# Altium PCB Funk.PcbDoc
Units mm, origin at the board's own origin, x right, y up, seen from the top; angles counter-clockwise.
Board outline 61.59 x 64.9 mm, 2 copper layers (Top Layer, Bottom Layer); 32 components, 38 nets, 179 pads, 31 vias.
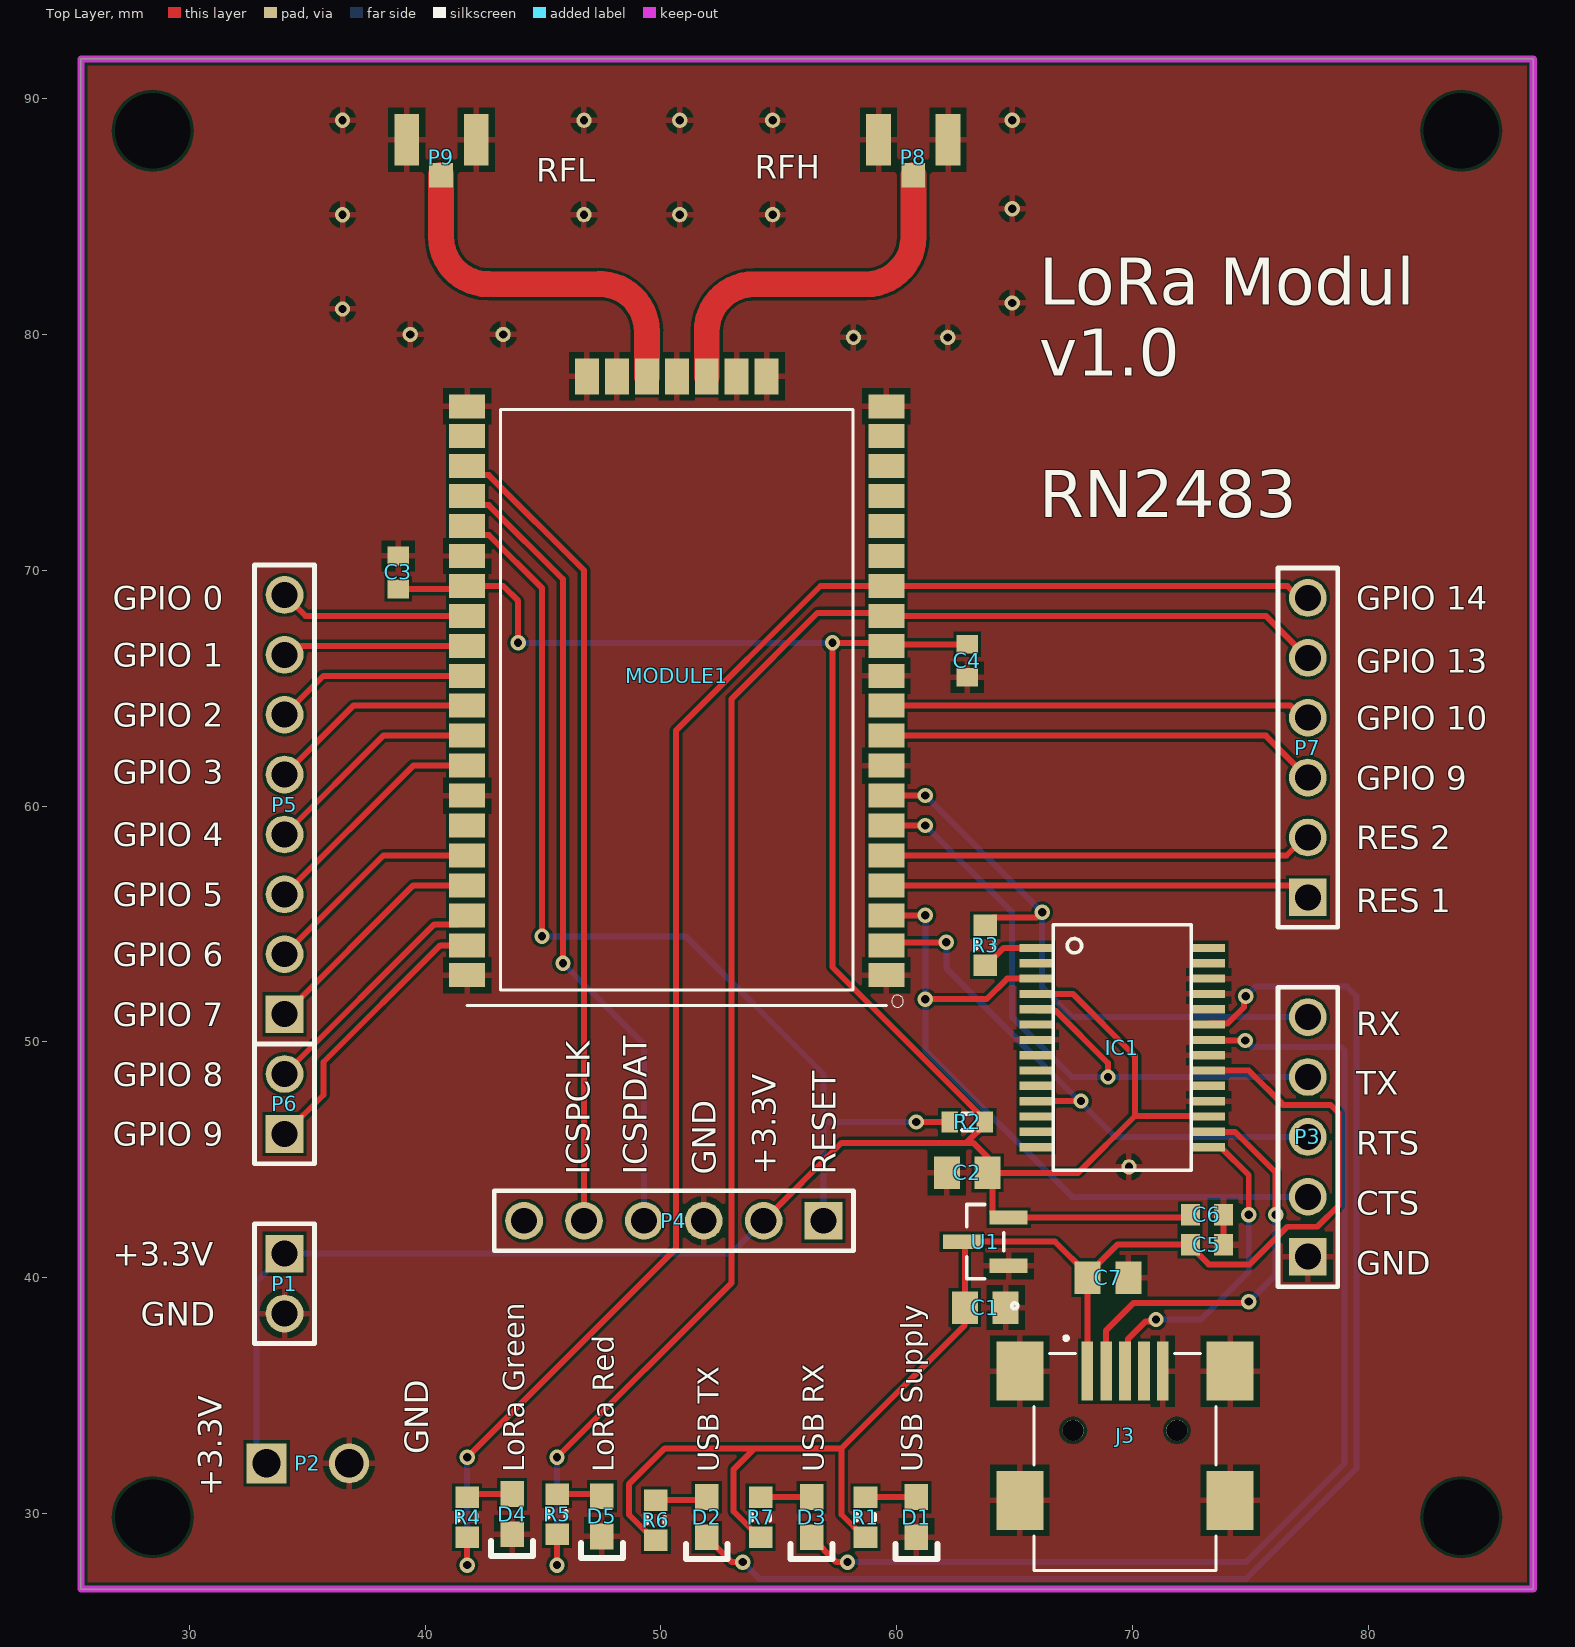
[diagram p0: Top Layer view]
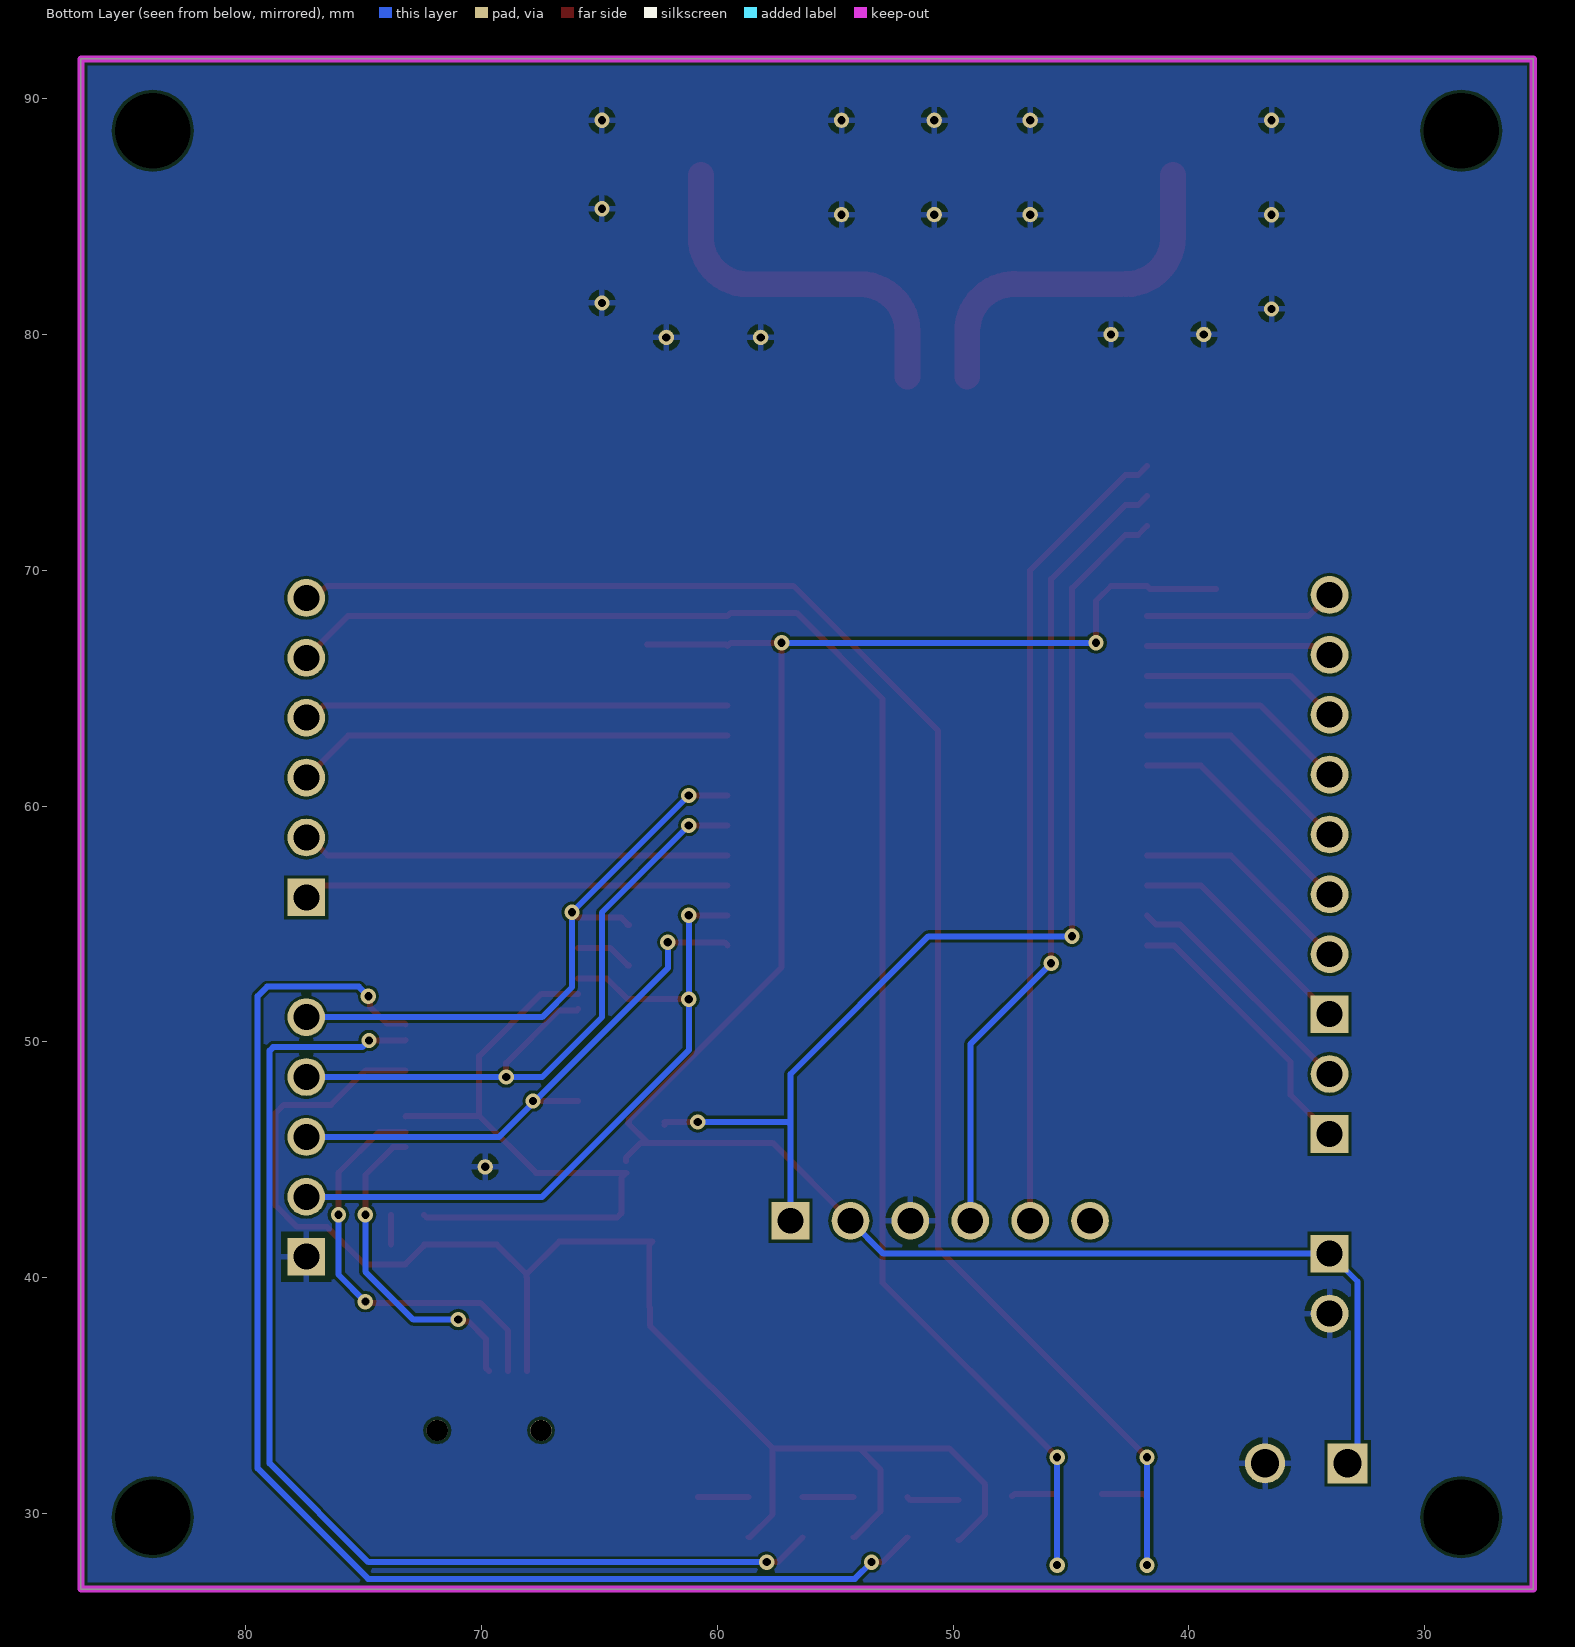
[diagram p1: Bottom Layer view, seen from below]
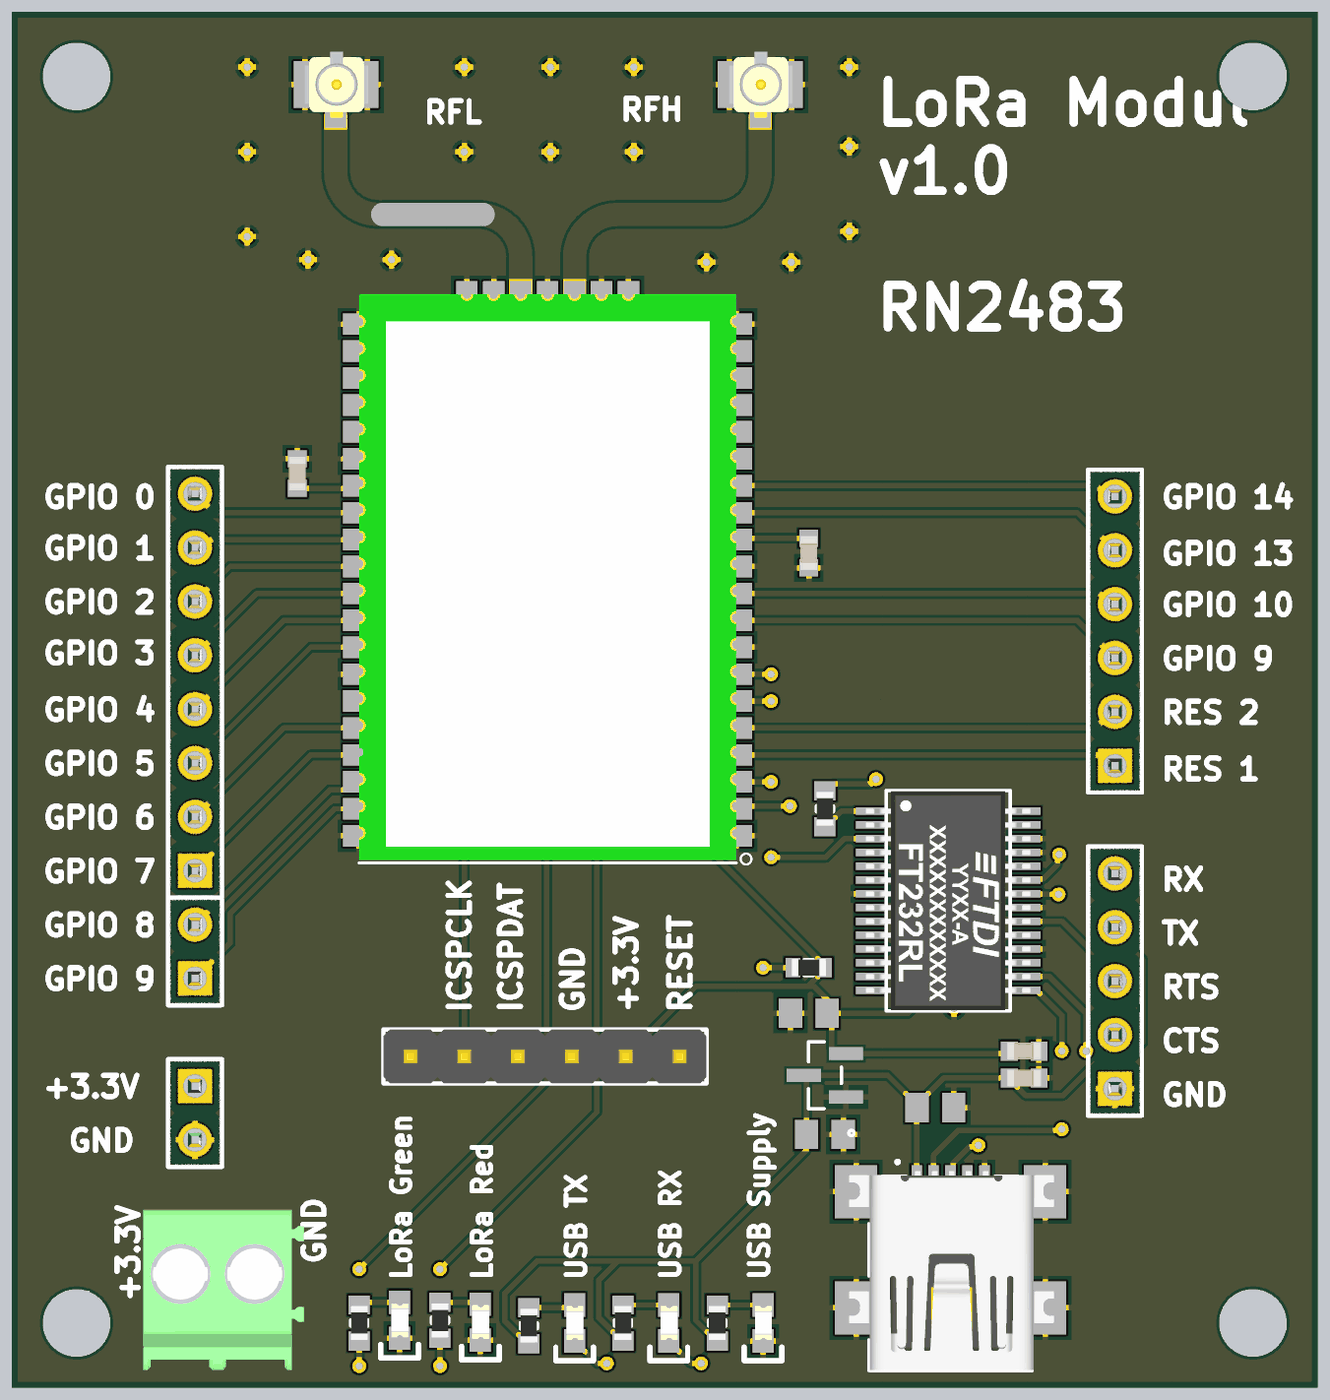
[diagram p2: 3D render of the assembled board from above, using the file's embedded part models]

## Layer stack, top to bottom
Top Solder: solder mask 0.0102, Solder Resist, Dk 3.5
Top Layer: signal copper 0.0356
Dielectric 1: dielectric 0.32, FR-4, Dk 4.8
Bottom Layer: signal copper 0.0356
Bottom Solder: solder mask 0.0102, Solder Resist, Dk 3.5

## Board outline
25.4,26.797 86.995,26.797 86.995,91.694 25.4,91.694

## Design rules (kind name [scope] priority, off if disabled: settings)
Clearance Clearance_1 [All] p1: gap=0.127 ignorepadtopadclearanceinfootprint=FALSE except(0: Arc-Hole Track-Hole SMDPad-Hole THPad-Hole Via-Hole Fill-Hole Poly-Hole Region-Hole Text-Hole; 0.254: Arc-Text Track-Text SMDPad-Text THPad-Text Via-Text Fill-Text Poly-Text Region-Text Text-Text)
Height [All] p1: minheight=0 maxheight=50 prefheight=12.7
HoleSize [All] p1: absolutevalues=TRUE maxlimit=6.3 minlimit=0.025 maxpercent=80.000 minpercent=20.000
MaxMinImpedance "Schematic Impedance Constraint_1" [InNet('RFH')] p1: minimum=50.00 maximum=50.00
MaxMinImpedance "Schematic Impedance Constraint" [InNet('RFL')] p2: minimum=50.00 maximum=50.00
MinimumSolderMaskSliver [All] p1: minsoldermaskwidth=0.2
PolygonConnect [All] p1: connectstyle=Relief reliefconductorwidth=0.254 reliefentries=4 polygonreliefangle="90 Angle" airgapwidth=0.254
RoutingVias [All] p1: holewidth=0.35 width=0.65 viastyle="Through Hole" minholewidth=0.3 minwidth=0.6 maxholewidth=2 maxwidth=2.4
SolderMaskExpansion [All] p1: expansion=0.102
Width [All] p1: maxlimit=2 minlimit=0.127 preferedwidth=0.254 minimp=50.000000 maximp=50.000000 favimp=50.000000
27 further rules are at their usual default settings.

## Classes and differential pairs
component class Funk: C1 C2 C3 C4 C5 C6 C7 D1 D2 D3 D4 D5 IC1 J3 MODULE1 P1 P2 P4 P8 P9 R1 R2 R3 R4 R5 R6 R7 U1

## Components (designator, comment, footprint, x,y, rotation, side; value= is the part's Value field where it differs from the comment)
C1 "1uF" *CAPC2012X135N 63.754,38.735 r0 top
C2 "1uF" *CAPC2012X135N 62.992,44.45 r180 top
C3 "100nF" "CAP_0603i_1608m -L" 38.862,69.915 r270 top
C4 "100nF" "CAP_0603i_1608m -L" 62.992,66.167 r90 top
C5 "100nF" "CAP_0603i_1608m -L" 73.152,41.402 r180 top
C6 "100nF" "CAP_0603i_1608m -L" 73.152,42.672 r180 top
C7 "10uF" *CAPC2012X135N 68.961,40.005 r0 top
D1 "Grün" *0603 60.833,29.845 r90 top
D2 "Grün" *0603 51.943,29.845 r90 top
D3 "Orange" *0603 56.388,29.845 r90 top
D4 "Orange" *0603 43.688,29.972 r90 top
D5 "Grün" *0603 47.498,29.884 r90 top
IC1 "FT232RL-TUBE" *SSOP28-LD 69.569,49.765 r270 top
J3 "UJ2-MABH-4-SMT" *CUI_UJ2-MABH-4-SMT_UJ2-MABH-4-SMT(Primary) 68.082,36.038 r0 top
MODULE1 "RN2483-I/RM095" *MICROCHIP_RN2483-I/RM095 50.673,64.897 r180 top
P1 "Power Supply Pin" HDR1X2 34.036,41.021 r270 top
P2 "Power Supply Conn." "3.5MM Phoenix Contact 1984617" 33.274,32.131 r0 top
P3 "UART" HDR1X5 77.437,40.894 r90 top
P4 "ICSP PICkit 3" HDR1X6 56.896,42.418 r180 top
P5 "GPIO Pins 1" HDR1X8 34.036,51.181 r90 top
P6 "GPIO Pins 1.1" HDR1X2 34.036,46.101 r90 top
P7 "GPIO Pins 2" HDR1X6 77.437,56.134 r90 top
P8 "Hirose U.FL-R-SMT-1(10)" "Hirsoe U.FL-R-SMT-1(10)"#1 60.705,88.265 r0 top
P9 "Hirose U.FL-R-SMT-1(10)" "Hirsoe U.FL-R-SMT-1(10)"#2 40.689,88.265 r0 top
R1 "10" "RES_0603i_1608m -N" 58.674,29.845 r90 top
R2 "10k" "RES_0603_1608m -L" 62.992,46.609 r180 top
R3 "10" "RES_0603i_1608m -N" 63.754,54.102 r90 top
R4 "330" "RES_0603i_1608m -N" 41.783,29.845 r270 top
R5 "330" "RES_0603i_1608m -N" 45.593,29.972 r270 top
R6 "1000" "RES_0603i_1608m -N" 49.784,29.718 r90 top
R7 "1000" "RES_0603i_1608m -N" 54.229,29.845 r90 top
U1 "Part Number: AP2120N-3.3TRG1" SOT-23-M 63.754,41.529 r90 top value=Value

## Footprints (in the part's own frame and the unit in brackets; to place one, negate y for a bottom-side part, rotate by r counter-clockwise, add the part's x,y. Pads: shape width x height; smd on the part's side, far side on the other; paste and mask are expansions set on the pad)
"3.5MM Phoenix Contact 1984617" [mm]
  rect 1.7x1.7 hole 1.2: 1(0,0)
  round 1.7 hole 1.2: 2(3.5,0)
  body extent -1.67,-4.53 5.9,3.07, height 25.89
*0603 [mm]
  rect 1.1x1 smd: 1(-0.85,0) 2(0.85,0)
  silkscreen extent -1.78,-0.89 -1.14,0.89, body extent -0.8,-0.42 0.8,0.38, height 0.8
*CAPC2012X135N [mm]
  rect 1.1x1.38 smd: 1(-0.863,0) 2(0.863,0)
*CUI_UJ2-MABH-4-SMT_UJ2-MABH-4-SMT(Primary) [mm]
  rect 0.5x2.5 smd: 1(0,0) 2(0.8,0) 3(1.6,0) 4(2.4,0) 5(3.2,0)
  round 0.9 hole 0.9 unplated: None(-0.6,-2.51) None(3.8,-2.51)
  rect 2x2.5 smd: SH1(-2.86,0) SH2(6.06,0) SH3(-2.86,-5.48) SH4(6.06,-5.48)
  silkscreen extent -2.26,-8.45 5.46,1.48, body extent -3.18,-8.42 6.48,0.96, height 3.93
*MICROCHIP_RN2483-I/RM095 [mil]
  rect 60x40 smd: 1(-350,475) 2(-350,425) 3(-350,375) 4(-350,325) 5(-350,275) 6(-350,225) 7(-350,175) 8(-350,125) 9(-350,75) 10(-350,25) 11(-350,-25) 12(-350,-75) 13(-350,-125) 14(-350,-175) 15(-350,-225) 16(-350,-275) 17(-350,-325) 18(-350,-375) 19(-350,-425) 20(-350,-475) 28(350,-475) 29(350,-425) 30(350,-375) 31(350,-325) 32(350,-275) 33(350,-225) 34(350,-175) 35(350,-125) 36(350,-75) 37(350,-25) 38(350,25) 39(350,75) 40(350,125) 41(350,175) 42(350,225) 43(350,275) 44(350,325) 45(350,375) 46(350,425) 47(350,475)
  rect 40x60 smd: 21(-150,-525) 22(-100,-525) 23(-50,-525) 24(0,-525) 25(50,-525) 26(100,-525) 27(150,-525)
  silkscreen extent -379,-470 350,528, body extent -351,-530 350,520, height 118
*SSOP28-LD [mm]
  rect 0.348x1.397 smd: 1(-4.225,-3.656) 2(-3.575,-3.656) 3(-2.925,-3.656) 4(-2.275,-3.656) 5(-1.625,-3.656) 6(-0.975,-3.656) 7(-0.325,-3.656) 8(0.325,-3.656) 9(0.975,-3.656) 10(1.625,-3.656) 11(2.275,-3.656) 12(2.925,-3.656) 13(3.575,-3.656) 14(4.225,-3.656) 15(4.225,3.656) 16(3.575,3.656) 17(2.925,3.656) 18(2.275,3.656) 19(1.625,3.656) 20(0.975,3.656) 21(0.325,3.656) 22(-0.325,3.656) 23(-0.975,3.656) 24(-1.625,3.656) 25(-2.275,3.656) 26(-2.925,3.656) 27(-3.575,3.656) 28(-4.225,3.656)
  silkscreen extent -5.2,-2.93 5.2,2.93, body extent -5.17,-3.88 5.16,3.88, height 2.16
"CAP_0603i_1608m -L" [mm] "Chip Capacitor, Body 1.6x0.8mm, IPC High Density"
  rect 0.8x0.9 smd: 1(-0.7,0) 2(0.7,0)
  body extent -0.8,-0.4 0.8,0.4, height 0.8
HDR1X2 [mm] "Connector; Header; 2 Position"
  rect 1.6x1.6 hole 1.1: 1(0,0)
  round 1.6 hole 1.1: 2(2.54,0)
  silkscreen extent -1.27,-1.27 3.81,1.27, body extent -1.27,-1.27 3.81,1.27, height 10.3
HDR1X5 [mm] "Connector; Header; 5 Position"
  rect 1.6x1.6 hole 1.1: 1(0,0)
  round 1.6 hole 1.1: 2(2.54,0) 3(5.08,0) 4(7.62,0) 5(10.16,0)
  silkscreen extent -1.27,-1.27 11.43,1.27, body extent -1.27,-1.27 11.43,1.27, height 10.3
HDR1X6 [mm] "Connector; Header; 6 Position"
  rect 1.6x1.6 hole 1.1: 1(0,0)
  round 1.6 hole 1.1: 2(2.54,0) 3(5.08,0) 4(7.62,0) 5(10.16,0) 6(12.7,0)
  silkscreen extent -1.27,-1.27 13.97,1.27, body extent -1.27,-1.27 13.97,1.27, height 10.3
HDR1X8 [mm] "Connector; Header; 8 Position"
  rect 1.6x1.6 hole 1.1: 1(0,0)
  round 1.6 hole 1.1: 2(2.54,0) 3(5.08,0) 4(7.62,0) 5(10.16,0) 6(12.7,0) 7(15.24,0) 8(17.78,0)
  silkscreen extent -1.27,-1.27 19.05,1.27, body extent -1.17,-1.24 19.15,1.25, height 8.2
"Hirsoe U.FL-R-SMT-1(10)"#1 [mm] "SMD U.FL connector"
  rect 1x1.05 smd: 1(0,-1.5)
  rect 1.05x2.2 smd: 2(-1.475,0) 2(1.475,0)
  body extent -1.48,-1.55 1.53,1.55, height 1.25
"Hirsoe U.FL-R-SMT-1(10)"#2 [mm] "SMD U.FL connector"
  rect 1x1.05 smd: 1(-0.016,-1.5)
  rect 1.05x2.2 smd: 2(-1.475,0) 2(1.475,0)
  body extent -1.48,-1.55 1.53,1.55, height 1.25
"RES_0603_1608m -L" [mm] "Chip Resistor, Body 1.6x0.8mm, IPC High Density"
  rect 0.7x0.9 smd: 1(-0.75,0) 2(0.75,0)
  silkscreen extent -0.2,-0.35 0.2,0.35, body extent -0.8,-0.4 0.8,0.4, height 0.4
"RES_0603i_1608m -N" [mm] "Chip Resistor, Body 1.6x0.8mm, IPC Medium Density"
  rect 0.9x1 smd: 1(-0.85,0) 2(0.85,0)
  silkscreen extent -0.13,-0.38 0.13,0.38, body extent -0.8,-0.4 0.8,0.4, height 0.4
SOT-23-M [mm]
  rect 0.61x1.61 smd paste+0 mask+0: 1(-1.025,-0.995) 2(1.025,-0.995) 3(0,0.995)
  silkscreen extent -2.85,-1.38 1.58,0.78, body extent 0,0 0.25,0.25, height 0.25

## Part data
C1 C2 C7: library part CL21A106KPFNNNG, Package="0805 Samsung", Digi-Key_Part_Number=1276-6456-1-ND, Digi-Key_Purchase_URL=https://www.digikey.com/product-detail/en/samsung-electro-mechanics/CL21A106KPFNNNG/1276-6456-1-ND/5958084?utm_source=snapeda&utm_medium=aggregator&utm_campaign=symbol, MF="Samsung Electro-Mechanics", MP=CL21A106KPFNNNG, SnapEDA_Link=https://www.snapeda.com/parts/CL21A106KPFNNNG/Samsung%20Electro-Mechanics/view-part/?ref=snap
C3 C4 C5 C6: library part Cap, "capacitor"
D1 D2 D5: library part LTST-C191KGKT, "LED; SMD; 0603; grün; 35mcd; 1.6x0.8x0.55mm; 130Â°; 2Ã·2.V; 20mA", Package="0603 Lite-On", Digi-Key_Part_Number=160-1446-1-ND, Digi-Key_Purchase_URL=https://www.digikey.ch/product-detail/de/lite-on-inc/LTST-C191KGKT/160-1446-1-ND/386834, MF="Lite-On Inc.", MP=LTST-C191KGKT, SnapEDA_Link=https://www.snapeda.com/parts/LTST-C191KFKT/Lite-On%20Inc./view-part/?ref=snap
D3 D4: library part LTST-C191KFKT, "LED; SMD; 0603; orange; 45-90mcd; 1.6x0.8x0.55mm; 130°; 2÷2.4V; 20mA", Package="0603 Lite-On", Digi-Key_Part_Number=160-1445-1-ND, Digi-Key_Purchase_URL=https://www.digikey.com/product-detail/en/lite-on-inc/LTST-C191KFKT/160-1445-1-ND/386832?utm_source=snapeda&utm_medium=aggregator&utm_campaign=symbol, MF="Lite-On Inc.", MP=LTST-C191KFKT, SnapEDA_Link=https://www.snapeda.com/parts/LTST-C191KFKT/Lite-On%20Inc./view-part/?ref=snap
IC1: "USB-to-UART 1-CH 256byte FIFO 5V 28-Pin SSOP Tube", Package="SSOP-28 FTDI", Digi-Key_Part_Number=768-1306-ND, Digi-Key_Purchase_URL=https://www.digikey.com/product-detail/en/ftdi-future-technology-devices-international-ltd/FT232RL-TUBE/768-1306-ND/4006920?utm_source=snapeda&utm_medium=aggregator&utm_campaign=symbol, MF=FTDI,, MP=FT232RL-TUBE, SnapEDA_Link=https://www.snapeda.com/parts/FT232RL-TUBE/FTDI%2C%20Future%20Technology%20Devices%20International%20Ltd/view-part/?ref=snap
J3: "Mini AB, USB 2.0, 1 A, Right Angle, Surface Mount _SMT_, USB Receptacle", Package=None, CUI_purchase_URL=https://www.cui.com/product/interconnect/connectors/usb-connectors/uj2-mabh-smt-series?utm_source=snapeda.com&utm_medium=referral&utm_campaign=snapedaBOM, Digi-Key_Part_Number=102-5890-1-ND, Digi-Key_Purchase_URL=https://www.digikey.com/product-detail/en/cui-inc/UJ2-MABH-4-SMT-TR/102-5890-1-ND/9838992?utm_source=snapeda&utm_medium=aggregator&utm_campaign=symbol, MF="CUI Inc.", MP=UJ2-MABH-4-SMT, SnapEDA_Link=https://www.snapeda.com/parts/UJ2-MABH-4-SMT/CUI%20Inc./view-part/?ref=snap
MODULE1: "Sub-GHz Dual Band Long Range Transceiver LoRa Module", Package=None, Availability=Unavailable, MF=Microchip, MP=RN2483-I/RM095, Price=None, SnapEDA_Link=https://www.snapeda.com/parts/RN2483-I/RM095/Microchip/view-part/?ref=snap
P1 P2 P6: library part "Header 2", "Header, 2-Pin"
P3: library part "Header 5", "Header, 5-Pin"
P4 P7: library part "Header 6", "Header, 6-Pin"
P5: library part "Header 8", "Header, 8-Pin"
P8 P9: "U.FL"
R1 R2 R3 R4 R5 R6 R7: library part Res, "Resistor"
U1: library part AP2120N-3.3TRG1, "No Description Available", Built_By=EMA_UL_Team, Copyright="Copyright (C) 2018 Accelerated Designs. All rights reserved", Manufacturer_Part_Number=AP2120N-3.3TRG1, RefDes=RefDes, Type=DEV, Vendor="Diodes Inc"

## Free pads (board coordinates)
  round 1.524 hole 3.2 unplated: 2(28.448,29.845) 3(83.947,29.845) 4(83.947,88.646) 5(28.448,88.646)
  round 0.65 hole 0.35: 6(46.736,89.09) 6(50.8,89.09) 7(54.737,89.09) 8(46.736,85.09) 9(50.8,85.09) 10(54.737,85.09) 11(43.307,80.01) 12(58.166,79.883) 13(62.166,79.883) 14(39.37,80.01) 18(69.85,44.704)

## Via types
v1: diameter 0.65, hole 0.35, Top Layer to Bottom Layer, 31 vias

## Nets (pads, with @x,y where several pads share a name; then routed paths per layer and width w, separated by ;. In a path a pad name is that pad's centre, name@x,y a point inside that pad or via, vN(x,y) a via of type N, cw(c..) or ccw(c..) an arc to the next point about the centre after c; other vN are vias at no path point)
+3.3V: C2.1 C3.2 C4.2 C6.2 IC1.4 IC1.17 MODULE1.12 MODULE1.34 P1.1 P2.1 P4.2 R2.1 U1.2 | length 120.7
  Top Layer w0.254: C3.2 41.656,69.215 MODULE1.34 43.307,69.342 43.942,68.707 v1(43.942,66.929) ; P4.2 57.658,45.72 62.953,45.72 ; C4.2 59.628,66.867 MODULE1.12 59.436,66.929 v1(57.277,66.929) 57.277,53.174 63.742,46.709 R2.1 ; R2.1@63.792,46.559 62.953,45.72 ; C2.1@63.881,44.958 63.881,45.085 63.246,45.72 62.953,45.72 ; IC1.4 67.467,52.04 70.104,49.403 70.104,46.863 ; C6.2 72.334,42.554 U1.2 64.249,42.554 64.071,42.732 64.071,44.234 C2.1 67.691,44.45 70.104,46.863 ; IC1.17 73.202,46.863 70.104,46.863
  Bottom Layer w0.254: P2.1 32.855,32.55 32.855,39.84 P1.1 52.959,41.021 P4.2 ; v1(43.942,66.929) v1(57.277,66.929)
+5: C1.1 C5.2 C7.1 IC1.20 J3.1 R1.1 R6.1 R7.1 U1.3 | length 65.2
  Top Layer w0.254: R6.1 49.734,28.868 48.641,29.961 48.641,31.242 50.165,32.766 53.975,32.766 ; R7.1 54.179,28.995 53.086,30.088 53.086,31.877 53.975,32.766 ; R1.1 58.624,28.995 57.658,29.961 57.658,32.766 ; J3.1 68.082,39.989 C7.1 C7.1@68.098,40.145 ; IC1.20 74.93,48.79 76.387,47.333 78.397,47.333 78.74,46.99 78.74,43.067 77.837,42.164 76.563,42.164 74.97,40.571 73.233,40.571 72.452,41.352 C5.2 69.355,41.402 C7.1@68.098,40.145 ; 53.975,32.766 57.658,32.766 ; 57.658,32.766 62.865,37.973 62.865,38.709 C1.1 62.891,41.397 U1.3 66.714,41.529 C7.1@68.098,40.145
CTS: IC1.3 MODULE1.3 P3.2 | length 31.2
  Top Layer w0.254: MODULE1.3 v1(61.214,55.372) ; v1(61.214,51.816) 63.807,51.816 64.681,52.69 IC1.3
  Bottom Layer w0.254: v1(61.214,55.372) v1(61.214,51.816) 61.214,49.657 67.437,43.434 P3.2
GND: C1.2 C2.2 C3.1 C4.1 C5.1 C6.1 C7.2 D1.1 D4.1 D5.1 IC1.7 IC1.18 IC1.21 IC1.25 IC1.26 J3.5 J3.SH1 J3.SH2 J3.SH3 J3.SH4 MODULE1.1 MODULE1.8 MODULE1.11 MODULE1.20 MODULE1.21 MODULE1.22 MODULE1.24 MODULE1.26 MODULE1.27 MODULE1.28 MODULE1.33 MODULE1.41 MODULE1.47 P1.2 P2.2 P3.1 P4.3 P8.2 P9.2 pad.6 pad.7 pad.8 pad.9 pad.10 pad.11 pad.12 pad.13 pad.14 pad.18 U1.1 | length 1.3
  Top Layer w0.254: C5.1 C6.1
  other v1: 36.497,81.09 64.897,81.344 36.497,85.09 64.897,85.344 36.497,89.09 64.897,89.09
LEDG: MODULE1.13 P7.5 R5.2 | length 67.9
  Top Layer w0.254: v1(45.593,27.813) R5.2 ; v1(45.593,32.385) 52.997,39.789 52.997,64.554 56.642,68.199 59.436,68.199 MODULE1.13 75.659,68.072 P7.5
  Bottom Layer w0.254: v1(45.593,27.813) v1(45.593,32.385)
LEDO: MODULE1.14 P7.6 R4.2 | length 69.8
  Top Layer w0.254: v1(41.783,27.813) R4.2 ; v1(41.783,32.385) 50.635,41.237 50.635,63.208 56.769,69.342 MODULE1.14 76.565,69.342 77.073,68.834 P7.6
  Bottom Layer w0.254: v1(41.783,27.813) v1(41.783,32.385)
NetD1_2: D1.2 R1.2 | length 2.2
  Top Layer w0.254: R1.2 D1.2
NetD2_1: D2.1 IC1.23 | length 57.6
  Top Layer w0.254: D2.1 52.998,27.94 v1(53.467,27.94) ; IC1.23 73.272,50.787 74.033,50.787 74.727,51.481 74.727,51.867 v1(74.803,51.943)
  Bottom Layer w0.254: v1(53.467,27.94) 54.173,27.234 74.815,27.234 79.502,31.921 79.502,51.943 79.099,52.346 75.206,52.346 v1(74.803,51.943)
NetD2_2: D2.2 R6.2 | length 2.2
  Top Layer w0.254: R6.2 51.816,30.568 D2.2
NetD3_1: D3.1 IC1.22 | length 48.2
  Top Layer w0.254: D3.1 57.443,27.94 v1(57.912,27.94) ; IC1.22 73.251,50.064 v1(74.777,50.064)
  Bottom Layer w0.254: v1(57.912,27.94) 74.803,27.94 78.994,32.131 78.994,49.635 78.845,49.784 75.057,49.784 v1(74.777,50.064)
NetD3_2: D3.2 R7.2 | length 2.2
  Top Layer w0.254: R7.2 D3.2
NetD4_2: D4.2 R4.1 | length 2
  Top Layer w0.254: R4.1 41.91,30.822 D4.2
NetD5_2: D5.2 R5.1 | length 1.9
  Top Layer w0.254: R5.1 47.41,30.822 D5.2
NetIC1_1: IC1.1 R3.1 | length 2.5
  Top Layer w0.254: R3.1 63.804,53.252 64.542,53.99 IC1.1
NetIC1_15: IC1.15 J3.3 | length 14.2
  Top Layer w0.254: J3.3 69.805,36.161 69.805,37.4 70.556,38.151 70.917,38.151 v1(70.993,38.227) v1@70.866,38.354 ; IC1.15 73.749,45.54 74.93,44.359 v1(74.93,42.672)
  Bottom Layer w0.254: v1(70.993,38.227) 72.898,38.227 74.93,40.259 v1(74.93,42.672)
NetIC1_16: IC1.16 J3.2 | length 17.8
  Top Layer w0.254: J3.2 68.882,37.767 70.049,38.934 74.875,38.934 v1(74.93,38.989) ; IC1.16 74.346,46.19 76.073,44.463 v1(76.073,42.672)
  Bottom Layer w0.254: v1(74.93,38.989) 76.073,40.132 v1(76.073,42.672)
NetMODULE1_9: MODULE1.9 P7.3 | length 18.6
  Top Layer w0.254: MODULE1.9 75.659,62.992 P7.3
NetMODULE1_10: MODULE1.10 P7.4 | length 18.1
  Top Layer w0.254: MODULE1.10 76.708,64.262 77.216,63.754 P7.4
NetMODULE1_30: MODULE1.30 P4.5 | length 34.6
  Top Layer w0.254: MODULE1.30 42.164,74.041 42.703,74.041 46.736,70.008 P4.5 P4.5@46.863,42.291
NetMODULE1_31: MODULE1.31 P4.4 | length 34.2
  Top Layer w0.254: MODULE1.31 42.164,72.771 42.703,72.771 45.847,69.627 v1(45.847,53.34)
  Bottom Layer w0.254: v1(45.847,53.34) 49.276,49.911 P4.4
NetMODULE1_35: MODULE1.35 P5.8 | length 8.1
  Top Layer w0.254: P5.8 34.925,68.072 MODULE1.35
NetMODULE1_36: MODULE1.36 P5.7 | length 7.9
  Top Layer w0.254: P5.7 34.4,66.421 34.781,66.802 MODULE1.36
NetMODULE1_37: MODULE1.37 P5.6 | length 8.4
  Top Layer w0.254: P5.6 35.687,65.532 MODULE1.37
NetMODULE1_38: MODULE1.38 P5.5 | length 9
  Top Layer w0.254: P5.5 36.957,64.262 MODULE1.38
NetMODULE1_39: MODULE1.39 P5.4 | length 9.5
  Top Layer w0.254: P5.4 38.227,62.992 MODULE1.39
NetMODULE1_40: MODULE1.40 P5.3 | length 10
  Top Layer w0.254: P5.3 39.497,61.722 MODULE1.40
NetMODULE1_43: MODULE1.43 P5.2 | length 9.5
  Top Layer w0.254: P5.2 38.227,57.912 MODULE1.43
NetMODULE1_44: MODULE1.44 P5.1 | length 10
  Top Layer w0.254: P5.1 39.497,56.642 MODULE1.44
NetMODULE1_45: MODULE1.45 P6.2 | length 10.5
  Top Layer w0.254: P6.2 40.386,54.991 41.402,54.991 MODULE1.45
NetMODULE1_46: MODULE1.46 P6.1 | length 11.9
  Top Layer w0.254: P6.1 35.687,47.752 35.687,49.149 40.64,54.102 MODULE1.46
RES1: MODULE1.4 P7.1 | length 18.1
  Top Layer w0.254: MODULE1.4 76.929,56.642 P7.1
RES2: MODULE1.5 P7.2 | length 18.2
  Top Layer w0.254: MODULE1.5 76.529,57.912 77.291,58.674 P7.2
RESET: MODULE1.32 P4.1 R2.2 | length 45.2
  Top Layer w0.254: MODULE1.32 42.164,71.501 42.703,71.501 44.958,69.246 v1(44.958,54.483) ; v1(60.833,46.609) R2.2@62.115,46.609 ; R2.2@62.242,46.482 R2.2@62.115,46.609 ; R2.2 R2.2@62.115,46.609
  Bottom Layer w0.254: v1(44.958,54.483) 51.054,54.483 56.896,48.641 56.896,46.482 ; P4.1 56.896,46.482 ; v1(60.833,46.609) 57.023,46.609 56.896,46.482
RFH: MODULE1.23 P8.1 | length 15.6
  Top Layer w0.254: 53.943,82.137 cw(c53.975,82.137) 53.975,82.169
  Top Layer w1.1: MODULE1.23 51.943,80.137 cw(c53.943,80.137) 53.943,82.137 ; 53.975,82.137 58.705,82.137 ccw(c58.705,84.137) 60.705,84.137 P8.1
RFL: MODULE1.25 P9.1 | length 16.1
  Top Layer w1.1: 40.673,85.069 40.673,85.622 ; 40.673,85.642 40.673,85.622 ; P9.1 40.673,85.622 ; 42.673,82.142 cw(c42.673,84.142) 40.673,84.142 40.673,85.261 40.673,85.622 ; 42.895,82.137 47.403,82.137 47.544,82.137 ; 47.403,82.142 cw(c47.403,80.142) 47.544,82.137 ; 47.625,82.137 47.544,82.137 ; MODULE1.25 49.403,80.142 ccw(c47.403,80.142) 47.544,82.137
RTS: IC1.11 MODULE1.2 P3.3 | length 23.9
  Top Layer w0.254: MODULE1.2 59.69,54.229 v1(62.103,54.229) ; IC1.11 65.917,47.494 67.814,47.494 v1(67.818,47.498)
  Bottom Layer w0.254: v1(62.103,54.229) 62.103,53.13 69.259,45.974 P3.3
RX: MODULE1.7 P3.5 R3.2 | length 26.3
  Top Layer w0.254: MODULE1.7 v1(61.214,60.452) ; R3.2@63.804,54.952 R3.2 64.077,55.275 65.943,55.275 v1(66.167,55.499)
  Bottom Layer w0.254: v1(61.214,60.452) v1(66.167,55.499) 66.167,52.324 67.437,51.054 P3.5
TX: IC1.5 MODULE1.6 P3.4 | length 29.5
  Top Layer w0.254: MODULE1.6 v1(61.214,59.182) ; IC1.5 65.96,51.343 66.721,51.343 68.961,49.103 v1(68.961,48.514)
  Bottom Layer w0.254: v1(61.214,59.182) 64.897,55.499 64.897,51.054 67.437,48.514 v1(68.961,48.514) P3.4
pads on no net: IC1.2 IC1.6 IC1.8 IC1.9 IC1.10 IC1.12 IC1.13 IC1.14 IC1.19 IC1.24 IC1.27 IC1.28 J3.4 J3.None MODULE1.15 MODULE1.16 MODULE1.17 MODULE1.18 MODULE1.19 MODULE1.29 MODULE1.42 P4.6

## Polygon pours and split planes (outlines as drawn)
GND on Top Layer "Top Layer-GND" (solid, pour order 8): 25.4,26.797 86.995,26.797 86.995,91.694 25.4,91.694
GND on Bottom Layer "Bottom Layer-GND" (solid, pour order 10): 25.4,26.797 86.995,26.797 86.995,91.694 25.4,91.694

## Keep-outs
Keep-Out Layer:
  the board outline again, w0.3

## Silkscreen, mask and mechanical layers (free items; w line width, h text height)
Top Overlay:
  text "RFH" at 53.975,86.614 h1
  text "RFL" at 44.704,86.487 h1
  text "LoRa Modul / v1.0 /  / RN2483" at 66.04,72.263 h2
  text "GPIO 0" at 26.746,68.326 h1
  text "GPIO 14" at 79.5,68.326 h1
  text "GPIO 1" at 26.746,65.913 h1
  text "GPIO 13" at 79.5,65.659 h1
  text "GPIO 2" at 26.746,63.373 h1
  text "GPIO 10" at 79.5,63.246 h1
  text "GPIO 3" at 26.746,60.96 h1
  text "GPIO 9" at 79.5,60.706 h1
  text "GPIO 4" at 26.746,58.293 h1
  text "RES 2" at 79.5,58.166 h1
  text "GPIO 5" at 26.746,55.753 h1
  text "RES 1" at 79.5,55.499 h1
  text "GPIO 6" at 26.746,53.213 h1
  text "GPIO 7" at 26.746,50.673 h1
  text "RX" at 79.5,50.292 h1
  text "GPIO 8" at 26.746,48.133 h1
  text "TX" at 79.5,47.752 h1
  text "GPIO 9" at 26.746,45.593 h1
  text "RTS" at 79.5,45.212 h1
  text "ICSPCLK" at 46.99,44.373 h1 r90
  text "ICSPDAT" at 49.403,44.373 h1 r90
  text "GND" at 52.324,44.373 h1 r90
  text "+3.3V" at 54.864,44.373 h1 r90
  text "RESET" at 57.404,44.373 h1 r90
  text "CTS" at 79.5,42.672 h1
  text "+3.3V" at 26.746,40.513 h1
  text "GND" at 79.5,40.132 h1
  text "GND" at 27.94,37.973 h1
  text "GND" at 40.132,32.512 h1 r90
  text "LoRa Green" at 44.196,31.75 h0.9 r90
  text "LoRa Red" at 48.006,31.75 h0.9 r90
  text "USB TX" at 52.451,31.75 h0.9 r90
  text "USB RX" at 56.896,31.75 h0.9 r90
  text "USB Supply" at 61.087,31.75 h0.9 r90
  text "+3.3V" at 31.369,30.734 h1 r90

## Text inside footprints (layer, text, board x,y; h text height)
U1: Mechanical 7 "0.051in/1.3mm" at 64.072,32.904 h0.64 r90; Mechanical 7 "0.114in/2.9mm" at 56.916,39.465 h0.64 r90; Mechanical 7 "0.02in/0.51mm" at 59.456,39.465 h0.64 r90; Mechanical 7 "0.081in/2.05mm" at 68.687,39.306 h0.64 r90; Mechanical 7 "0.024in/0.61mm" at 63.127,45.392 h0.64 r90; Mechanical 7 "0.098in/2.5mm" at 64.072,47.297 h0.64 r90; Mechanical 7 "Alt 2 Padstyle: b229_152h76" at 77.619,32.956 h1.27 r90; Mechanical 7 "Alt 1 Padstyle: b152_229h76" at 75.714,32.956 h1.27 r90; Mechanical 7 "Bottom Padstyle: r61_161" at 73.809,33.909 h1.27 r90; Mechanical 7 "Top Padstyle: r61_161" at 71.904,34.861 h1.27 r90